# Altium PCB Van Battery Controller V1.PcbDoc (part 3 of 3)
Units mil, origin at the board's own origin, x right, y up, seen from the top; angles counter-clockwise.
Board outline 6889.76 x 6889.76 mil, 8 copper layers (Top (Sig/GND), Int1 (GND), Int2 (24V), Int3 (24V), Int4 (GND), Int5 (24V), Int6 (GND), Bottom (Sig/GND)), stack 90.162 mil thick; 161 components, 117 nets, 594 pads, 573 vias.
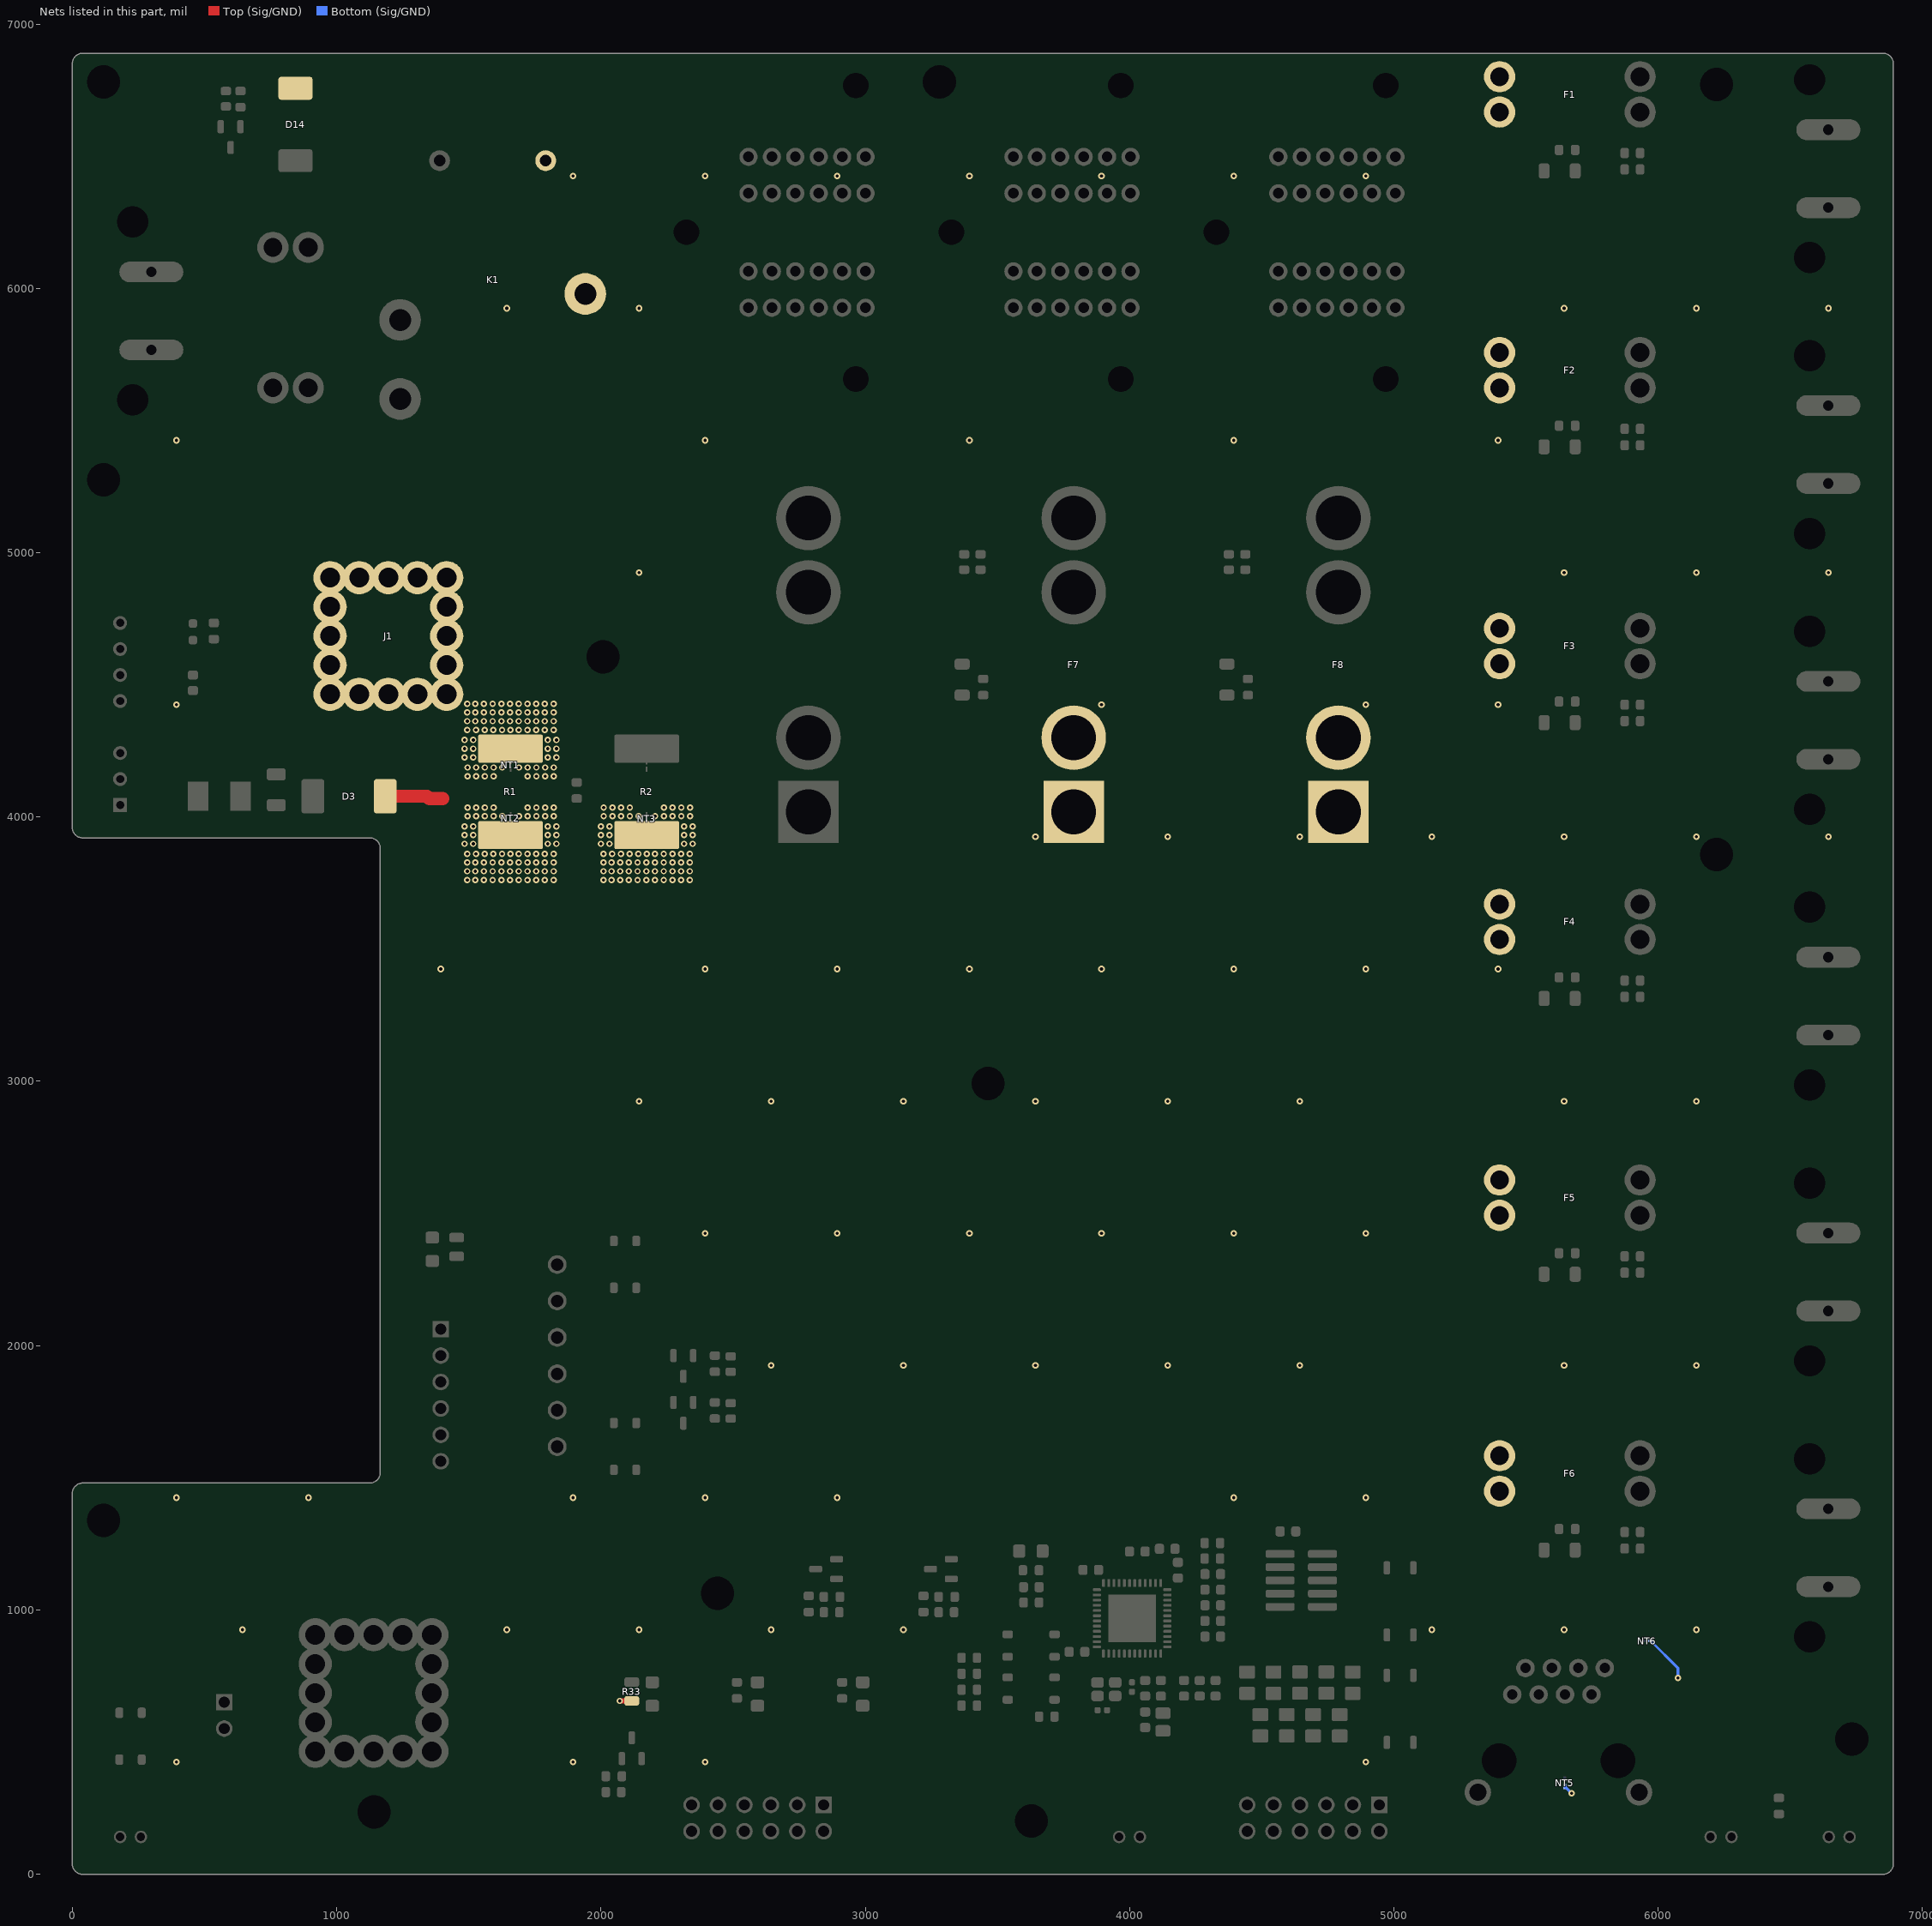
[diagram p9: the nets of this part, all layers, seen from the top]

## Via types
v1: diameter 24, hole 12, Top (Sig/GND) to Bottom (Sig/GND), tented both sides, 422 vias
v2: diameter 25, hole 12, Top (Sig/GND) to Bottom (Sig/GND), tented both sides, 151 vias

## Nets (pads, with @x,y where several pads share a name; then routed paths per layer and width w, separated by ;. In a path a pad name is that pad's centre, name@x,y a point inside that pad or via, vN(x,y) a via of type N, cw(c..) or ccw(c..) an arc to the next point about the centre after c; other vN are vias at no path point) (continued)
VBATT_24V: J1.1 J1.2 J1.3 J1.4 J1.5 J1.6 J1.7 J1.8 J1.9 J1.10 J1.11 J1.12 J1.13 J1.14 J1.15 J1.16 NT1.2 R1.2
  other v1: 1495.02,4154.35 1527.96,4154.35 1560.89,4154.35 1593.83,4154.35 1722.7,4154.35 1755.64,4154.35 1788.58,4154.35 1821.51,4154.35 1495.02,4187.28 1527.96,4187.28 1560.89,4187.28 1593.83,4187.28 1626.77,4187.28 1689.76,4187.28 1722.7,4187.28 1755.64,4187.28 1788.58,4187.28 1821.51,4187.28 1484.12,4225.47 1517.06,4225.47 1798.74,4225.47 1831.68,4225.47 1484.12,4258.41 1517.06,4258.41 1798.74,4258.41 1831.68,4258.41 1484.12,4291.34 1517.06,4291.34 1798.74,4291.34 1831.68,4291.34 1494.29,4329.53 1527.23,4329.53 1560.16,4329.53 1593.1,4329.53 1626.04,4329.53 1657.54,4329.53 1689.03,4329.53 1721.97,4329.53 1754.91,4329.53 1787.85,4329.53 1820.78,4329.53 1494.29,4362.47 1524.34,4362.47 1557.28,4362.47 1590.22,4362.47 1623.15,4362.47 1656.09,4362.47 1689.03,4362.47 1721.97,4362.47 1754.91,4362.47 1787.85,4362.47 1820.78,4362.47 1494.29,4395.4 1524.34,4395.4 1557.28,4395.4 1590.22,4395.4 1623.15,4395.4 1656.09,4395.4 1689.03,4395.4 1721.97,4395.4 1754.91,4395.4 1787.85,4395.4 1820.78,4395.4 1494.29,4428.34 1524.34,4428.34 1557.28,4428.34 1590.22,4428.34 1623.15,4428.34 1656.09,4428.34 1689.03,4428.34 1721.97,4428.34 1754.91,4428.34 1787.85,4428.34 1820.78,4428.34
VBUS_24V: D3.2 D14.1 F1.1 F1.2 F2.1 F2.2 F3.1 F3.2 F4.1 F4.2 F5.1 F5.2 F6.1 F6.2 F7.1 F7.2 F8.1 F8.2 K1.1 K1.3 NT2.2 NT3.2 NT5.2 NT6.2 R1.1 R2.1 R33.1 | length 485.8
  Top (Sig/GND) w20: v1(2071.37,655.94) R33.1@2116.5,655.94
  Top (Sig/GND) w50: D3.2@1184.05,4078.54 1342.02,4078.54 1351.03,4069.53 1401.84,4069.53
  Bottom (Sig/GND) w10: NT5.2@5646.59,332.04 v1(5672.39,306.24) ; NT6.2@5971.7,882.93 6074.61,780.02 v1(6074.61,742.91)
  other v1: 1494.29,3761.7 1524.34,3761.7 1557.28,3761.7 1590.22,3761.7 1623.15,3761.7 1656.09,3761.7 1689.03,3761.7 1721.97,3761.7 1754.91,3761.7 1787.85,3761.7 1820.78,3761.7 2009.73,3761.7 2039.78,3761.7 2072.72,3761.7 2105.66,3761.7 2138.6,3761.7 2171.54,3761.7 2204.48,3761.7 2237.41,3761.7 2270.35,3761.7 2303.29,3761.7 2336.23,3761.7 1494.29,3794.64 1524.34,3794.64 1557.28,3794.64 1590.22,3794.64 1623.15,3794.64 1656.09,3794.64 1689.03,3794.64 1721.97,3794.64 1754.91,3794.64 1787.85,3794.64 1820.78,3794.64 2009.73,3794.64 2039.78,3794.64 2072.72,3794.64 2105.66,3794.64 2138.6,3794.64 2171.54,3794.64 2204.48,3794.64 2237.41,3794.64 2270.35,3794.64 2303.29,3794.64 2336.23,3794.64 1494.29,3827.57 1524.34,3827.57 1557.28,3827.57 1590.22,3827.57 1623.15,3827.57 1656.09,3827.57 1689.03,3827.57 1721.97,3827.57 1754.91,3827.57 1787.85,3827.57 1820.78,3827.57 2009.73,3827.57 2039.78,3827.57 2072.72,3827.57 2105.66,3827.57 2138.6,3827.57 2171.54,3827.57 2204.48,3827.57 2237.41,3827.57 2270.35,3827.57 2303.29,3827.57 2336.23,3827.57 1494.29,3860.51 1527.23,3860.51 1560.16,3860.51 1593.1,3860.51 1626.04,3860.51 1657.54,3860.51 1689.03,3860.51 1721.97,3860.51 1754.91,3860.51 1787.85,3860.51 1820.78,3860.51 2009.73,3860.51 2042.67,3860.51 2075.61,3860.51 2108.55,3860.51 2141.49,3860.51 2172.98,3860.51 2204.48,3860.51 2237.41,3860.51 2270.35,3860.51 2303.29,3860.51 2336.23,3860.51 1484.12,3898.7 1517.06,3898.7 1798.74,3898.7 1831.68,3898.7 1999.57,3898.7 2032.51,3898.7 2314.19,3898.7 2347.12,3898.7 1484.12,3931.63 1517.06,3931.63 1798.74,3931.63 1831.68,3931.63 1999.57,3931.63 2032.51,3931.63 2314.19,3931.63 2347.12,3931.63 1484.12,3964.57 1517.06,3964.57 1798.74,3964.57 1831.68,3964.57 1999.57,3964.57 2032.51,3964.57 2314.19,3964.57 2347.12,3964.57 1495.02,4002.76 1527.96,4002.76 1560.89,4002.76 1593.83,4002.76 1626.77,4002.76 1689.76,4002.76 1722.7,4002.76 1755.64,4002.76 1788.58,4002.76 1821.51,4002.76 2010.46,4002.76 2043.4,4002.76 2076.34,4002.76 2109.28,4002.76 2142.22,4002.76 2205.21,4002.76 2238.14,4002.76 2271.08,4002.76 2304.02,4002.76 2336.96,4002.76 1495.02,4035.69 1527.96,4035.69 1560.89,4035.69 1593.83,4035.69 1722.7,4035.69 1755.64,4035.69 1788.58,4035.69 1821.51,4035.69 2010.46,4035.69 2043.4,4035.69 2076.34,4035.69 2109.28,4035.69 2238.14,4035.69 2271.08,4035.69 2304.02,4035.69 2336.96,4035.69
  other v2: 394.02,424.92 1894.02,424.92 2394.02,424.92 4894.02,424.92 644.02,924.92 1644.02,924.92 2144.02,924.92 2644.02,924.92 3144.02,924.92 5144.02,924.92 5644.02,924.92 6144.02,924.92 394.02,1424.92 894.02,1424.92 1894.02,1424.92 2394.02,1424.92 2894.02,1424.92 4394.02,1424.92 4894.02,1424.92 2644.02,1924.92 3144.02,1924.92 3644.02,1924.92 4144.02,1924.92 4644.02,1924.92 5644.02,1924.92 6144.02,1924.92 2394.02,2424.92 2894.02,2424.92 3394.02,2424.92 3894.02,2424.92 4394.02,2424.92 4894.02,2424.92 2144.02,2924.92 2644.02,2924.92 3144.02,2924.92 3644.02,2924.92 4144.02,2924.92 4644.02,2924.92 5644.02,2924.92 6144.02,2924.92 1394.02,3424.92 2394.02,3424.92 2894.02,3424.92 3394.02,3424.92 3894.02,3424.92 4394.02,3424.92 4894.02,3424.92 5394.02,3424.92 3644.02,3924.92 4144.02,3924.92 4644.02,3924.92 5144.02,3924.92 5644.02,3924.92 6144.02,3924.92 6644.02,3924.92 394.02,4424.92 3894.02,4424.92 4894.02,4424.92 5394.02,4424.92 2144.02,4924.92 5644.02,4924.92 6144.02,4924.92 6644.02,4924.92 394.02,5424.92 2394.02,5424.92 3394.02,5424.92 4394.02,5424.92 5394.02,5424.92 1644.02,5924.92 2144.02,5924.92 5644.02,5924.92 6144.02,5924.92 6644.02,5924.92 1894.02,6424.92 2394.02,6424.92 2894.02,6424.92 3394.02,6424.92 3894.02,6424.92 4394.02,6424.92 4894.02,6424.92
pads on no net: J3.3 J3.4 J4.3 J4.4 J5.3 J5.4 J6.3 J6.4 J7.3 J7.4 J8.3 J8.4 J9.MH J10.MH J11.MH J12.6 J13.2 J13.3 J13.6 J16.0@5397.73,430.22 J16.0@5847.73,430.22 J21.7 J21.8 J22.3 J22.4 K1.5 U1.1 U1.18 U1.40 U1.42 U1.43 U2.3 U2.5 U2.8

## Polygon pours and split planes (outlines as drawn)
GND on Int1 (GND) "GND_L02_P177" (solid, remove dead copper, pour order 177): -15.94,5418.13 -15.94,6889.76 6888.76,6889.76 6888.76,5418.13 6889.76,5418.13 6889.76,0 -15.94,0 -15.94,1480.12 1165.16,1480.12 1165.16,3921.06 -15.94,3921.06
30A_CKT_6_FUSED on Int1 (GND) "30A_CKT_6_FUSED_L02_P176" (solid, pour order 176): 6880.67,1665.17 6879.66,1664.16 5722.99,1664.16 5722.99,1270.46 6267.52,1270.46 6313.54,1231.09 6320.19,1231.09 6880.67,1231.09
30A_CKT_5_FUSED on Int1 (GND) "30A_CKT_5_FUSED_L02_P175" (solid, pour order 175): 6880.67,2708.68 6879.66,2707.67 5722.99,2707.67 5722.99,2313.97 6267.52,2313.97 6313.54,2274.6 6320.19,2274.6 6880.67,2274.6
30A_CKT_4_FUSED on Int1 (GND) "30A_CKT_4_FUSED_L02_P174" (solid, pour order 174): 6880.67,3752.18 6879.66,3751.18 5722.99,3751.18 5722.99,3357.47 6267.52,3357.47 6313.54,3318.1 6320.19,3318.1 6880.67,3318.1
30A_CKT_3_FUSED on Int1 (GND) "30A_CKT_3_FUSED_L02_P173" (solid, pour order 173): 6880.67,4795.69 6879.66,4794.68 5722.99,4794.68 5722.99,4400.98 6267.52,4400.98 6313.54,4361.61 6320.19,4361.61 6880.67,4361.61
30A_CKT_2_FUSED on Int1 (GND) "30A_CKT_2_FUSED_L02_P172" (solid, pour order 172): 6880.67,5839.19 6879.66,5838.19 5722.99,5838.19 5722.99,5444.49 6267.52,5444.49 6313.54,5405.12 6320.19,5405.12 6880.67,5405.12
NetF9_1 on Int1 (GND) "NETF9_1_L02_P171" (solid, pour order 171): 2493.9,4106.69 2493.9,3847.19 3136.1,3847.19 3136.1,4511.61 1907.28,4511.61 1907.28,4106.69
VBUS_24V on Int1 (GND) "VBUS_24V_L02_P170" (solid, pour order 170): 712.02,6829.92 713.19,6828.75 713.19,6590.68 1527.04,6590.68 1558.86,6558.86 1558.86,5422.6 2090.35,5422.6 2090.35,6829.92
NetF10_1 on Int1 (GND) "NETF10_1_L02_P169" (solid, pour order 169): 1041.84,5889.57 1042.5,5888.91 1042.5,6047.05 1519.49,6047.05 1519.49,5417.13 582.89,5417.13 581.89,5418.13 581.89,5889.57
24V_HEATER_FUSED on Int1 (GND) "24V_HEATER_FUSED_L02_P168" (solid, pour order 168): 0,6401.38 0,5928.94 1007.68,5928.94 1007.68,6401.38
VBUS_24V on Int1 (GND) "VBUS_24V_L02_P167" (solid, pour order 167): 2480.12,4094.45 1398.42,4094.45 1398.42,3510.89 2480.12,3510.89
VBATT_24V on Int1 (GND) "VBATT_24V_L02_P166" (solid, pour order 166): 653.35,5259.65 653.35,4275.39 1196.65,4275.39 1365.36,4106.69 1892.52,4106.69 1892.52,5004.72 1637.6,5259.65
30A_CKT_1_FUSED on Int1 (GND) "30A_CKT_1_FUSED_L02_P153" (solid, pour order 153): 6880.67,6882.7 6879.66,6881.69 5722.99,6881.69 5722.99,6487.99 6267.52,6487.99 6313.54,6448.62 6320.19,6448.62 6880.67,6448.62
60A_CKT_2_FUSED on Int1 (GND) "60A_CKT_2_FUSED_L02_P023" (solid, remove dead copper, pour order 23): 4431.97,6194.68 4431.97,4629.72 5140.63,4629.72 5140.63,6194.68
60A_CKT_1_FUSED on Int1 (GND) "60A_CKT_1_FUSED_L02_P022" (solid, remove dead copper, pour order 22): 3429.7,6194.68 3429.7,4629.72 4138.37,4629.72 4138.37,6194.68
SOLAR_IN on Int1 (GND) "SOLAR_IN_L02_P002" (solid, remove dead copper, pour order 2): 2427.44,6194.68 2427.44,4629.72 3136.1,4629.72 3136.1,6194.68
GND on Int6 (GND) "GND_L07_P237" (solid, remove dead copper, pour order 237): -15.94,5418.13 -15.94,6889.76 6888.76,6889.76 6888.76,5418.13 6889.76,5418.13 6889.76,0 -15.94,0 -15.94,1480.12 1165.16,1480.12 1165.16,3921.06 -15.94,3921.06
30A_CKT_6_FUSED on Int6 (GND) "30A_CKT_6_FUSED_L07_P236" (solid, pour order 236): 6880.67,1665.17 6879.66,1664.16 5722.99,1664.16 5722.99,1270.46 6267.52,1270.46 6313.54,1231.09 6320.19,1231.09 6880.67,1231.09
30A_CKT_5_FUSED on Int6 (GND) "30A_CKT_5_FUSED_L07_P235" (solid, pour order 235): 6880.67,2708.68 6879.66,2707.67 5722.99,2707.67 5722.99,2313.97 6267.52,2313.97 6313.54,2274.6 6320.19,2274.6 6880.67,2274.6
30A_CKT_4_FUSED on Int6 (GND) "30A_CKT_4_FUSED_L07_P234" (solid, pour order 234): 6880.67,3752.18 6879.66,3751.18 5722.99,3751.18 5722.99,3357.47 6267.52,3357.47 6313.54,3318.1 6320.19,3318.1 6880.67,3318.1
30A_CKT_3_FUSED on Int6 (GND) "30A_CKT_3_FUSED_L07_P233" (solid, pour order 233): 6880.67,4795.69 6879.66,4794.68 5722.99,4794.68 5722.99,4400.98 6267.52,4400.98 6313.54,4361.61 6320.19,4361.61 6880.67,4361.61
30A_CKT_2_FUSED on Int6 (GND) "30A_CKT_2_FUSED_L07_P232" (solid, pour order 232): 6880.67,5839.19 6879.66,5838.19 5722.99,5838.19 5722.99,5444.49 6267.52,5444.49 6313.54,5405.12 6320.19,5405.12 6880.67,5405.12
NetF9_1 on Int6 (GND) "NETF9_1_L07_P231" (solid, pour order 231): 2493.9,4106.69 2493.9,3847.19 3136.1,3847.19 3136.1,4511.61 1907.28,4511.61 1907.28,4106.69
VBUS_24V on Int6 (GND) "VBUS_24V_L07_P230" (solid, pour order 230): 712.02,6829.92 713.19,6828.75 713.19,6590.68 1527.04,6590.68 1558.86,6558.86 1558.86,5422.6 2090.35,5422.6 2090.35,6829.92
NetF10_1 on Int6 (GND) "NETF10_1_L07_P229" (solid, pour order 229): 1041.84,5889.57 1042.5,5888.91 1042.5,6047.05 1519.49,6047.05 1519.49,5417.13 582.89,5417.13 581.89,5418.13 581.89,5889.57
24V_HEATER_FUSED on Int6 (GND) "24V_HEATER_FUSED_L07_P228" (solid, pour order 228): 0,6401.38 0,5928.94 1007.68,5928.94 1007.68,6401.38
VBUS_24V on Int6 (GND) "VBUS_24V_L07_P227" (solid, pour order 227): 2480.12,4094.45 1398.42,4094.45 1398.42,3510.89 2480.12,3510.89
VBATT_24V on Int6 (GND) "VBATT_24V_L07_P226" (solid, pour order 226): 653.35,5259.65 653.35,4275.39 1196.65,4275.39 1365.36,4106.69 1892.52,4106.69 1892.52,5004.72 1637.6,5259.65
30A_CKT_1_FUSED on Int6 (GND) "30A_CKT_1_FUSED_L07_P158" (solid, pour order 158): 6880.67,6882.7 6879.66,6881.69 5722.99,6881.69 5722.99,6487.99 6267.52,6487.99 6313.54,6448.62 6320.19,6448.62 6880.67,6448.62
60A_CKT_2_FUSED on Int6 (GND) "60A_CKT_2_FUSED_L07_P148" (solid, remove dead copper, pour order 148): 4431.97,6194.68 4431.97,4629.72 5140.63,4629.72 5140.63,6194.68
60A_CKT_1_FUSED on Int6 (GND) "60A_CKT_1_FUSED_L07_P147" (solid, remove dead copper, pour order 147): 3429.7,6194.68 3429.7,4629.72 4138.37,4629.72 4138.37,6194.68
SOLAR_IN on Int6 (GND) "SOLAR_IN_L07_P117" (solid, remove dead copper, pour order 117): 2427.44,6194.68 2427.44,4629.72 3136.1,4629.72 3136.1,6194.68
VBUS_24V on Int2 (24V) "VBUS_24V_L03_P189" (solid, remove dead copper, pour order 189): -15.94,5418.13 -15.94,6889.76 6888.76,6889.76 6888.76,5418.13 6889.76,5418.13 6889.76,0 -15.94,0 -15.94,1480.12 1165.16,1480.12 1165.16,3921.06 -15.94,3921.06
3V3 on Int2 (24V) "3V3_L03_P005" (solid, remove dead copper, pour order 5): 3587.4,1322.64 3587.4,476.95 4544.68,476.95 4544.68,1322.64
30A_CKT_6_FUSED on Int2 (24V) "30A_CKT_6_FUSED_L03_P188" (solid, pour order 188): 6880.67,1665.17 6879.66,1664.16 5722.99,1664.16 5722.99,1270.46 6267.52,1270.46 6313.54,1231.09 6320.19,1231.09 6880.67,1231.09
30A_CKT_5_FUSED on Int2 (24V) "30A_CKT_5_FUSED_L03_P187" (solid, pour order 187): 6880.67,2708.68 6879.66,2707.67 5722.99,2707.67 5722.99,2313.97 6267.52,2313.97 6313.54,2274.6 6320.19,2274.6 6880.67,2274.6
30A_CKT_4_FUSED on Int2 (24V) "30A_CKT_4_FUSED_L03_P186" (solid, pour order 186): 6880.67,3752.18 6879.66,3751.18 5722.99,3751.18 5722.99,3357.47 6267.52,3357.47 6313.54,3318.1 6320.19,3318.1 6880.67,3318.1
30A_CKT_3_FUSED on Int2 (24V) "30A_CKT_3_FUSED_L03_P185" (solid, pour order 185): 6880.67,4795.69 6879.66,4794.68 5722.99,4794.68 5722.99,4400.98 6267.52,4400.98 6313.54,4361.61 6320.19,4361.61 6880.67,4361.61
30A_CKT_2_FUSED on Int2 (24V) "30A_CKT_2_FUSED_L03_P184" (solid, pour order 184): 6880.67,5839.19 6879.66,5838.19 5722.99,5838.19 5722.99,5444.49 6267.52,5444.49 6313.54,5405.12 6320.19,5405.12 6880.67,5405.12
NetF9_1 on Int2 (24V) "NETF9_1_L03_P183" (solid, pour order 183): 2493.9,4106.69 2493.9,3847.19 3136.1,3847.19 3136.1,4511.61 1907.28,4511.61 1907.28,4106.69
VBUS_24V on Int2 (24V) "VBUS_24V_L03_P182" (solid, pour order 182): 712.02,6829.92 713.19,6828.75 713.19,6590.68 1527.04,6590.68 1558.86,6558.86 1558.86,5422.6 2090.35,5422.6 2090.35,6829.92
NetF10_1 on Int2 (24V) "NETF10_1_L03_P181" (solid, pour order 181): 1041.84,5889.57 1042.5,5888.91 1042.5,6047.05 1519.49,6047.05 1519.49,5417.13 582.89,5417.13 581.89,5418.13 581.89,5889.57
24V_HEATER_FUSED on Int2 (24V) "24V_HEATER_FUSED_L03_P180" (solid, pour order 180): 0,6401.38 0,5928.94 1007.68,5928.94 1007.68,6401.38
VBUS_24V on Int2 (24V) "VBUS_24V_L03_P179" (solid, pour order 179): 2480.12,4094.45 1398.42,4094.45 1398.42,3510.89 2480.12,3510.89
VBATT_24V on Int2 (24V) "VBATT_24V_L03_P178" (solid, pour order 178): 653.35,5259.65 653.35,4275.39 1196.65,4275.39 1365.36,4106.69 1892.52,4106.69 1892.52,5004.72 1637.6,5259.65
30A_CKT_1_FUSED on Int2 (24V) "30A_CKT_1_FUSED_L03_P154" (solid, pour order 154): 6880.67,6882.7 6879.66,6881.69 5722.99,6881.69 5722.99,6487.99 6267.52,6487.99 6313.54,6448.62 6320.19,6448.62 6880.67,6448.62
60A_CKT_2_FUSED on Int2 (24V) "60A_CKT_2_FUSED_L03_P136" (solid, remove dead copper, pour order 136): 4431.97,6194.68 4431.97,4629.72 5140.63,4629.72 5140.63,6194.68
60A_CKT_1_FUSED on Int2 (24V) "60A_CKT_1_FUSED_L03_P135" (solid, remove dead copper, pour order 135): 3429.7,6194.68 3429.7,4629.72 4138.37,4629.72 4138.37,6194.68
SOLAR_IN on Int2 (24V) "SOLAR_IN_L03_P121" (solid, remove dead copper, pour order 121): 2427.44,6194.68 2427.44,4629.72 3136.1,4629.72 3136.1,6194.68
VBUS_24V on Int3 (24V) "VBUS_24V_L04_P201" (solid, remove dead copper, pour order 201): -15.94,5418.13 -15.94,6889.76 6888.76,6889.76 6888.76,5418.13 6889.76,5418.13 6889.76,0 -15.94,0 -15.94,1480.12 1165.16,1480.12 1165.16,3921.06 -15.94,3921.06
30A_CKT_6_FUSED on Int3 (24V) "30A_CKT_6_FUSED_L04_P200" (solid, pour order 200): 6880.67,1665.17 6879.66,1664.16 5722.99,1664.16 5722.99,1270.46 6267.52,1270.46 6313.54,1231.09 6320.19,1231.09 6880.67,1231.09
30A_CKT_5_FUSED on Int3 (24V) "30A_CKT_5_FUSED_L04_P199" (solid, pour order 199): 6880.67,2708.68 6879.66,2707.67 5722.99,2707.67 5722.99,2313.97 6267.52,2313.97 6313.54,2274.6 6320.19,2274.6 6880.67,2274.6
30A_CKT_4_FUSED on Int3 (24V) "30A_CKT_4_FUSED_L04_P198" (solid, pour order 198): 6880.67,3752.18 6879.66,3751.18 5722.99,3751.18 5722.99,3357.47 6267.52,3357.47 6313.54,3318.1 6320.19,3318.1 6880.67,3318.1
30A_CKT_3_FUSED on Int3 (24V) "30A_CKT_3_FUSED_L04_P197" (solid, pour order 197): 6880.67,4795.69 6879.66,4794.68 5722.99,4794.68 5722.99,4400.98 6267.52,4400.98 6313.54,4361.61 6320.19,4361.61 6880.67,4361.61
30A_CKT_2_FUSED on Int3 (24V) "30A_CKT_2_FUSED_L04_P196" (solid, pour order 196): 6880.67,5839.19 6879.66,5838.19 5722.99,5838.19 5722.99,5444.49 6267.52,5444.49 6313.54,5405.12 6320.19,5405.12 6880.67,5405.12
NetF9_1 on Int3 (24V) "NETF9_1_L04_P195" (solid, pour order 195): 2493.9,4106.69 2493.9,3847.19 3136.1,3847.19 3136.1,4511.61 1907.28,4511.61 1907.28,4106.69
VBUS_24V on Int3 (24V) "VBUS_24V_L04_P194" (solid, pour order 194): 712.02,6829.92 713.19,6828.75 713.19,6590.68 1527.04,6590.68 1558.86,6558.86 1558.86,5422.6 2090.35,5422.6 2090.35,6829.92
NetF10_1 on Int3 (24V) "NETF10_1_L04_P193" (solid, pour order 193): 1041.84,5889.57 1042.5,5888.91 1042.5,6047.05 1519.49,6047.05 1519.49,5417.13 582.89,5417.13 581.89,5418.13 581.89,5889.57
24V_HEATER_FUSED on Int3 (24V) "24V_HEATER_FUSED_L04_P192" (solid, pour order 192): 0,6401.38 0,5928.94 1007.68,5928.94 1007.68,6401.38
VBUS_24V on Int3 (24V) "VBUS_24V_L04_P191" (solid, pour order 191): 2480.12,4094.45 1398.42,4094.45 1398.42,3510.89 2480.12,3510.89
VBATT_24V on Int3 (24V) "VBATT_24V_L04_P190" (solid, pour order 190): 653.35,5259.65 653.35,4275.39 1196.65,4275.39 1365.36,4106.69 1892.52,4106.69 1892.52,5004.72 1637.6,5259.65
30A_CKT_1_FUSED on Int3 (24V) "30A_CKT_1_FUSED_L04_P155" (solid, pour order 155): 6880.67,6882.7 6879.66,6881.69 5722.99,6881.69 5722.99,6487.99 6267.52,6487.99 6313.54,6448.62 6320.19,6448.62 6880.67,6448.62
60A_CKT_2_FUSED on Int3 (24V) "60A_CKT_2_FUSED_L04_P139" (solid, remove dead copper, pour order 139): 4431.97,6194.68 4431.97,4629.72 5140.63,4629.72 5140.63,6194.68
60A_CKT_1_FUSED on Int3 (24V) "60A_CKT_1_FUSED_L04_P138" (solid, remove dead copper, pour order 138): 3429.7,6194.68 3429.7,4629.72 4138.37,4629.72 4138.37,6194.68
SOLAR_IN on Int3 (24V) "SOLAR_IN_L04_P128" (solid, remove dead copper, pour order 128): 2427.44,6194.68 2427.44,4629.72 3136.1,4629.72 3136.1,6194.68
GND on Int4 (GND) "GND_L05_P213" (solid, remove dead copper, pour order 213): -15.94,5418.13 -15.94,6889.76 6888.76,6889.76 6888.76,5418.13 6889.76,5418.13 6889.76,0 -15.94,0 -15.94,1480.12 1165.16,1480.12 1165.16,3921.06 -15.94,3921.06
30A_CKT_6_FUSED on Int4 (GND) "30A_CKT_6_FUSED_L05_P212" (solid, pour order 212): 6880.67,1665.17 6879.66,1664.16 5722.99,1664.16 5722.99,1270.46 6267.52,1270.46 6313.54,1231.09 6320.19,1231.09 6880.67,1231.09
30A_CKT_5_FUSED on Int4 (GND) "30A_CKT_5_FUSED_L05_P211" (solid, pour order 211): 6880.67,2708.68 6879.66,2707.67 5722.99,2707.67 5722.99,2313.97 6267.52,2313.97 6313.54,2274.6 6320.19,2274.6 6880.67,2274.6
30A_CKT_4_FUSED on Int4 (GND) "30A_CKT_4_FUSED_L05_P210" (solid, pour order 210): 6880.67,3752.18 6879.66,3751.18 5722.99,3751.18 5722.99,3357.47 6267.52,3357.47 6313.54,3318.1 6320.19,3318.1 6880.67,3318.1
30A_CKT_3_FUSED on Int4 (GND) "30A_CKT_3_FUSED_L05_P209" (solid, pour order 209): 6880.67,4795.69 6879.66,4794.68 5722.99,4794.68 5722.99,4400.98 6267.52,4400.98 6313.54,4361.61 6320.19,4361.61 6880.67,4361.61
30A_CKT_2_FUSED on Int4 (GND) "30A_CKT_2_FUSED_L05_P208" (solid, pour order 208): 6880.67,5839.19 6879.66,5838.19 5722.99,5838.19 5722.99,5444.49 6267.52,5444.49 6313.54,5405.12 6320.19,5405.12 6880.67,5405.12
NetF9_1 on Int4 (GND) "NETF9_1_L05_P207" (solid, pour order 207): 2493.9,4106.69 2493.9,3847.19 3136.1,3847.19 3136.1,4511.61 1907.28,4511.61 1907.28,4106.69
VBUS_24V on Int4 (GND) "VBUS_24V_L05_P206" (solid, pour order 206): 712.02,6829.92 713.19,6828.75 713.19,6590.68 1527.04,6590.68 1558.86,6558.86 1558.86,5422.6 2090.35,5422.6 2090.35,6829.92
NetF10_1 on Int4 (GND) "NETF10_1_L05_P205" (solid, pour order 205): 1041.84,5889.57 1042.5,5888.91 1042.5,6047.05 1519.49,6047.05 1519.49,5417.13 582.89,5417.13 581.89,5418.13 581.89,5889.57
24V_HEATER_FUSED on Int4 (GND) "24V_HEATER_FUSED_L05_P204" (solid, pour order 204): 0,6401.38 0,5928.94 1007.68,5928.94 1007.68,6401.38
VBUS_24V on Int4 (GND) "VBUS_24V_L05_P203" (solid, pour order 203): 2480.12,4094.45 1398.42,4094.45 1398.42,3510.89 2480.12,3510.89
VBATT_24V on Int4 (GND) "VBATT_24V_L05_P202" (solid, pour order 202): 653.35,5259.65 653.35,4275.39 1196.65,4275.39 1365.36,4106.69 1892.52,4106.69 1892.52,5004.72 1637.6,5259.65
30A_CKT_1_FUSED on Int4 (GND) "30A_CKT_1_FUSED_L05_P156" (solid, pour order 156): 6880.67,6882.7 6879.66,6881.69 5722.99,6881.69 5722.99,6487.99 6267.52,6487.99 6313.54,6448.62 6320.19,6448.62 6880.67,6448.62
60A_CKT_2_FUSED on Int4 (GND) "60A_CKT_2_FUSED_L05_P142" (solid, remove dead copper, pour order 142): 4431.97,6194.68 4431.97,4629.72 5140.63,4629.72 5140.63,6194.68
60A_CKT_1_FUSED on Int4 (GND) "60A_CKT_1_FUSED_L05_P141" (solid, remove dead copper, pour order 141): 3429.7,6194.68 3429.7,4629.72 4138.37,4629.72 4138.37,6194.68
SOLAR_IN on Int4 (GND) "SOLAR_IN_L05_P116" (solid, remove dead copper, pour order 116): 2427.44,6194.68 2427.44,4629.72 3136.1,4629.72 3136.1,6194.68
VBUS_24V on Int5 (24V) "VBUS_24V_L06_P225" (solid, remove dead copper, pour order 225): -15.94,5418.13 -15.94,6889.76 6888.76,6889.76 6888.76,5418.13 6889.76,5418.13 6889.76,0 -15.94,0 -15.94,1480.12 1165.16,1480.12 1165.16,3921.06 -15.94,3921.06
30A_CKT_6_FUSED on Int5 (24V) "30A_CKT_6_FUSED_L06_P224" (solid, pour order 224): 6880.67,1665.17 6879.66,1664.16 5722.99,1664.16 5722.99,1270.46 6267.52,1270.46 6313.54,1231.09 6320.19,1231.09 6880.67,1231.09
30A_CKT_5_FUSED on Int5 (24V) "30A_CKT_5_FUSED_L06_P223" (solid, pour order 223): 6880.67,2708.68 6879.66,2707.67 5722.99,2707.67 5722.99,2313.97 6267.52,2313.97 6313.54,2274.6 6320.19,2274.6 6880.67,2274.6
30A_CKT_4_FUSED on Int5 (24V) "30A_CKT_4_FUSED_L06_P222" (solid, pour order 222): 6880.67,3752.18 6879.66,3751.18 5722.99,3751.18 5722.99,3357.47 6267.52,3357.47 6313.54,3318.1 6320.19,3318.1 6880.67,3318.1
30A_CKT_3_FUSED on Int5 (24V) "30A_CKT_3_FUSED_L06_P221" (solid, pour order 221): 6880.67,4795.69 6879.66,4794.68 5722.99,4794.68 5722.99,4400.98 6267.52,4400.98 6313.54,4361.61 6320.19,4361.61 6880.67,4361.61
30A_CKT_2_FUSED on Int5 (24V) "30A_CKT_2_FUSED_L06_P220" (solid, pour order 220): 6880.67,5839.19 6879.66,5838.19 5722.99,5838.19 5722.99,5444.49 6267.52,5444.49 6313.54,5405.12 6320.19,5405.12 6880.67,5405.12
NetF9_1 on Int5 (24V) "NETF9_1_L06_P219" (solid, pour order 219): 2493.9,4106.69 2493.9,3847.19 3136.1,3847.19 3136.1,4511.61 1907.28,4511.61 1907.28,4106.69
VBUS_24V on Int5 (24V) "VBUS_24V_L06_P218" (solid, pour order 218): 712.02,6829.92 713.19,6828.75 713.19,6590.68 1527.04,6590.68 1558.86,6558.86 1558.86,5422.6 2090.35,5422.6 2090.35,6829.92
NetF10_1 on Int5 (24V) "NETF10_1_L06_P217" (solid, pour order 217): 1041.84,5889.57 1042.5,5888.91 1042.5,6047.05 1519.49,6047.05 1519.49,5417.13 582.89,5417.13 581.89,5418.13 581.89,5889.57
24V_HEATER_FUSED on Int5 (24V) "24V_HEATER_FUSED_L06_P216" (solid, pour order 216): 0,6401.38 0,5928.94 1007.68,5928.94 1007.68,6401.38
VBUS_24V on Int5 (24V) "VBUS_24V_L06_P215" (solid, pour order 215): 2480.12,4094.45 1398.42,4094.45 1398.42,3510.89 2480.12,3510.89
VBATT_24V on Int5 (24V) "VBATT_24V_L06_P214" (solid, pour order 214): 653.35,5259.65 653.35,4275.39 1196.65,4275.39 1365.36,4106.69 1892.52,4106.69 1892.52,5004.72 1637.6,5259.65
30A_CKT_1_FUSED on Int5 (24V) "30A_CKT_1_FUSED_L06_P157" (solid, pour order 157): 6880.67,6882.7 6879.66,6881.69 5722.99,6881.69 5722.99,6487.99 6267.52,6487.99 6313.54,6448.62 6320.19,6448.62 6880.67,6448.62
60A_CKT_2_FUSED on Int5 (24V) "60A_CKT_2_FUSED_L06_P145" (solid, remove dead copper, pour order 145): 4431.97,6194.68 4431.97,4629.72 5140.63,4629.72 5140.63,6194.68
60A_CKT_1_FUSED on Int5 (24V) "60A_CKT_1_FUSED_L06_P144" (solid, remove dead copper, pour order 144): 3429.7,6194.68 3429.7,4629.72 4138.37,4629.72 4138.37,6194.68
SOLAR_IN on Int5 (24V) "SOLAR_IN_L06_P131" (solid, remove dead copper, pour order 131): 2427.44,6194.68 2427.44,4629.72 3136.1,4629.72 3136.1,6194.68
GND on Top (Sig/GND) "GND_L01_P165" (solid, remove dead copper, pour order 165): -15.94,5418.13 -15.94,6889.76 6888.76,6889.76 6888.76,5418.13 6889.76,5418.13 6889.76,0 -15.94,0 -15.94,1480.12 1165.16,1480.12 1165.16,3921.06 -15.94,3921.06
30A_CKT_6_FUSED on Top (Sig/GND) "30A_CKT_6_FUSED_L01_P164" (solid, pour order 164): 6880.67,1665.17 6879.66,1664.16 5722.99,1664.16 5722.99,1270.46 6267.52,1270.46 6313.54,1231.09 6320.19,1231.09 6880.67,1231.09
30A_CKT_5_FUSED on Top (Sig/GND) "30A_CKT_5_FUSED_L01_P163" (solid, pour order 163): 6880.67,2708.68 6879.66,2707.67 5722.99,2707.67 5722.99,2313.97 6267.52,2313.97 6313.54,2274.6 6320.19,2274.6 6880.67,2274.6
30A_CKT_4_FUSED on Top (Sig/GND) "30A_CKT_4_FUSED_L01_P162" (solid, pour order 162): 6880.67,3752.18 6879.66,3751.18 5722.99,3751.18 5722.99,3357.47 6267.52,3357.47 6313.54,3318.1 6320.19,3318.1 6880.67,3318.1
30A_CKT_3_FUSED on Top (Sig/GND) "30A_CKT_3_FUSED_L01_P161" (solid, pour order 161): 6880.67,4795.69 6879.66,4794.68 5722.99,4794.68 5722.99,4400.98 6267.52,4400.98 6313.54,4361.61 6320.19,4361.61 6880.67,4361.61
30A_CKT_2_FUSED on Top (Sig/GND) "30A_CKT_2_FUSED_L01_P160" (solid, pour order 160): 6880.67,5839.19 6879.66,5838.19 5722.99,5838.19 5722.99,5444.49 6267.52,5444.49 6313.54,5405.12 6320.19,5405.12 6880.67,5405.12
VBUS_24V on Top (Sig/GND) "VBUS_24V_L01_P018" (solid, pour order 18): 2480.12,4094.45 1398.42,4094.45 1398.42,3510.89 2480.12,3510.89
NetF9_1 on Top (Sig/GND) "NETF9_1_L01_P134" (solid, pour order 134): 2493.9,4106.69 2493.9,3847.19 3136.1,3847.19 3136.1,4511.61 1907.28,4511.61 1907.28,4106.69
VBATT_24V on Top (Sig/GND) "VBATT_24V_L01_P017" (solid, pour order 17): 653.35,5259.65 653.35,4275.39 1196.65,4275.39 1365.36,4106.69 1892.52,4106.69 1892.52,5004.72 1637.6,5259.65
60A_CKT_2_FUSED on Top (Sig/GND) "60A_CKT_2_FUSED_L01_P133" (solid, remove dead copper, pour order 133): 4431.97,6194.68 4431.97,4629.72 5140.63,4629.72 5140.63,6194.68
60A_CKT_1_FUSED on Top (Sig/GND) "60A_CKT_1_FUSED_L01_P132" (solid, remove dead copper, pour order 132): 3429.7,6194.68 3429.7,4629.72 4138.37,4629.72 4138.37,6194.68
SOLAR_IN on Top (Sig/GND) "SOLAR_IN_L01_P125" (solid, remove dead copper, pour order 125): 2427.44,6194.68 2427.44,4629.72 3136.1,4629.72 3136.1,6194.68
VBUS_24V on Top (Sig/GND) "VBUS_24V_L01_P124" (solid, pour order 124): 712.02,6829.92 713.19,6828.75 713.19,6590.68 1527.04,6590.68 1558.86,6558.86 1558.86,5422.6 2090.35,5422.6 2090.35,6829.92
NetD14_2 on Top (Sig/GND) "NETD14_2_L01_P123" (solid, pour order 123): 535.24,6558.86 535.24,6413.39 1519.49,6413.39 1519.49,6558.86
24V_HEATER_FUSED on Top (Sig/GND) "24V_HEATER_FUSED_L01_P020" (solid, pour order 20): 0,6401.38 0,5928.94 1007.68,5928.94 1007.68,6401.38
NetF10_1 on Top (Sig/GND) "NETF10_1_L01_P122" (solid, pour order 122): 1041.84,5889.57 1042.5,5888.91 1042.5,6047.05 1519.49,6047.05 1519.49,5417.13 582.89,5417.13 581.89,5418.13 581.89,5889.57
30A_CKT_1_FUSED on Top (Sig/GND) "30A_CKT_1_FUSED_L01_P011" (solid, pour order 11): 6880.67,6882.7 6879.66,6881.69 5722.99,6881.69 5722.99,6487.99 6267.52,6487.99 6313.54,6448.62 6320.19,6448.62 6880.67,6448.62
GND on Bottom (Sig/GND) "GND_L08_P249" (solid, remove dead copper, pour order 249): -15.94,5418.13 -15.94,6889.76 6888.76,6889.76 6888.76,5418.13 6889.76,5418.13 6889.76,0 -15.94,0 -15.94,1480.12 1165.16,1480.12 1165.16,3921.06 -15.94,3921.06
VBATT_24V on Bottom (Sig/GND) "VBATT_24V_L08_P238" (solid, pour order 238): 653.35,5259.65 653.35,4275.39 1196.65,4275.39 1365.36,4106.69 1892.52,4106.69 1892.52,5004.72 1637.6,5259.65
30A_CKT_6_FUSED on Bottom (Sig/GND) "30A_CKT_6_FUSED_L08_P248" (solid, pour order 248): 6880.67,1665.17 6879.66,1664.16 5722.99,1664.16 5722.99,1270.46 6267.52,1270.46 6313.54,1231.09 6320.19,1231.09 6880.67,1231.09
30A_CKT_5_FUSED on Bottom (Sig/GND) "30A_CKT_5_FUSED_L08_P247" (solid, pour order 247): 6880.67,2708.68 6879.66,2707.67 5722.99,2707.67 5722.99,2313.97 6267.52,2313.97 6313.54,2274.6 6320.19,2274.6 6880.67,2274.6
30A_CKT_4_FUSED on Bottom (Sig/GND) "30A_CKT_4_FUSED_L08_P246" (solid, pour order 246): 6880.67,3752.18 6879.66,3751.18 5722.99,3751.18 5722.99,3357.47 6267.52,3357.47 6313.54,3318.1 6320.19,3318.1 6880.67,3318.1
30A_CKT_3_FUSED on Bottom (Sig/GND) "30A_CKT_3_FUSED_L08_P245" (solid, pour order 245): 6880.67,4795.69 6879.66,4794.68 5722.99,4794.68 5722.99,4400.98 6267.52,4400.98 6313.54,4361.61 6320.19,4361.61 6880.67,4361.61
30A_CKT_2_FUSED on Bottom (Sig/GND) "30A_CKT_2_FUSED_L08_P244" (solid, pour order 244): 6880.67,5839.19 6879.66,5838.19 5722.99,5838.19 5722.99,5444.49 6267.52,5444.49 6313.54,5405.12 6320.19,5405.12 6880.67,5405.12
NetF9_1 on Bottom (Sig/GND) "NETF9_1_L08_P243" (solid, pour order 243): 2493.9,4106.69 2493.9,3847.19 3136.1,3847.19 3136.1,4511.61 1907.28,4511.61 1907.28,4106.69
VBUS_24V on Bottom (Sig/GND) "VBUS_24V_L08_P242" (solid, pour order 242): 712.02,6829.92 713.19,6828.75 713.19,6590.68 1527.04,6590.68 1558.86,6558.86 1558.86,5422.6 2090.35,5422.6 2090.35,6829.92
NetF10_1 on Bottom (Sig/GND) "NETF10_1_L08_P241" (solid, pour order 241): 1041.84,5889.57 1042.5,5888.91 1042.5,6047.05 1519.49,6047.05 1519.49,5417.13 582.89,5417.13 581.89,5418.13 581.89,5889.57
24V_HEATER_FUSED on Bottom (Sig/GND) "24V_HEATER_FUSED_L08_P240" (solid, pour order 240): 0,6401.38 0,5928.94 1007.68,5928.94 1007.68,6401.38
VBUS_24V on Bottom (Sig/GND) "VBUS_24V_L08_P239" (solid, pour order 239): 2480.12,4094.45 1398.42,4094.45 1398.42,3510.89 2480.12,3510.89
30A_CKT_1_FUSED on Bottom (Sig/GND) "30A_CKT_1_FUSED_L08_P159" (solid, pour order 159): 6880.67,6882.7 6879.66,6881.69 5722.99,6881.69 5722.99,6487.99 6267.52,6487.99 6313.54,6448.62 6320.19,6448.62 6880.67,6448.62
60A_CKT_2_FUSED on Bottom (Sig/GND) "60A_CKT_2_FUSED_L08_P151" (solid, remove dead copper, pour order 151): 4431.97,6194.68 4431.97,4629.72 5140.63,4629.72 5140.63,6194.68
60A_CKT_1_FUSED on Bottom (Sig/GND) "60A_CKT_1_FUSED_L08_P150" (solid, remove dead copper, pour order 150): 3429.7,6194.68 3429.7,4629.72 4138.37,4629.72 4138.37,6194.68
SOLAR_IN on Bottom (Sig/GND) "SOLAR_IN_L08_P118" (solid, remove dead copper, pour order 118): 2427.44,6194.68 2427.44,4629.72 3136.1,4629.72 3136.1,6194.68

## Keep-outs
Keep-Out Layer:
  circle w10: c6456.69,258.37 r179.32

## Silkscreen, mask and mechanical layers (free items; w line width, h text height)
Top Overlay:
  drawing of 7648 lines, arcs and shapes, not listed
  text "MH1" at 241.09,6758.82 h78.74
  text "CKT 1" at 6121.04,6632.9 h137.8 r270
  text "MH10" at 6246.48,6595.28 h78.74 r30
  text "+" at 6401.38,6539.03 h196.85
  text "MH11" at 3308.75,6483.08 h78.74 r90
  text "-" at 2392.94,6388.1 h196.85
  text "-" at 3395.21,6388.1 h196.85
  text "-" at 4397.47,6388.1 h196.85
  text "HEATER" at 32.85,6381.44 h157.48
  text "-" at 6383.62,6259.76 h196.85
  text "+" at 541.26,6001 h196.85
  text "+" at 2410.71,5928.73 h196.85
  text "+" at 3412.97,5928.73 h196.85
  text "+" at 4415.24,5928.73 h196.85
  text "-" at 559.03,5721.73 h196.85
  text "CKT 2" at 6121.04,5597.46 h137.8 r270
  text "+" at 6401.38,5495.52 h196.85
  text "MH2" at 241.09,5253.13 h78.74
  text "-" at 6383.62,5216.25 h196.85
  text "BATT POS (+)" at 644.22,5095.94 h196.85
  text "MH3" at 2130.86,4584.75 h78.74
  text "CKT 3" at 6121.11,4554.4 h137.8 r270
  text "+" at 6401.38,4452.02 h196.85
  text "-" at 6383.62,4172.75 h196.85
  text "CHG SHUNT" at 2420.68,3883.67 h78.74 r90
  text "MH9" at 5961.05,3834.6 h78.74
  text "DISCHG SHUNT" at 1456.11,3794.5 h78.74 r90
  text "INVERTER" at 4458.79,3742.02 h137.8
  text "SOLAR IN" at 2506.7,3740.49 h137.8
  text "AIR CON." at 3526.68,3740.49 h137.8
  text "CKT 4" at 6121.04,3510.73 h137.8 r270
  text "+" at 6401.38,3408.51 h196.85
  text "-" at 6383.62,3129.24 h196.85
  text "MH12" at 3159.94,2964.28 h78.74
  text "CKT 5" at 6121.04,2467.74 h137.8 r270
  text "GV ALARM" at 1230.19,2461.02 h78.74
  text "CLOSE" at 2184.04,2427.94 h78.74 r270
  text "+" at 6401.38,2365.01 h196.85
  text "GIGAVAC" at 2056.76,2182.66 h108.27 r270
  text "-" at 6383.62,2085.74 h196.85
  text "1" at 1230.94,2037.48 h78.74
  text "FTDI" at 1480.75,1906.47 h98.43 r270
  text "TX" at 1219.82,1737.21 h78.74
  text "OPEN" at 2184.04,1717.86 h78.74 r270
  text "RX" at 1217.85,1637.21 h78.74
  text "CKT 6" at 6121.04,1423.88 h137.8 r270
  text "+" at 6401.38,1321.5 h196.85
  text "MH4" at 241.09,1316.12 h78.74
  text "BATT NEG (-)" at 614.82,1084.6 h196.85
  text "-" at 6383.62,1042.23 h196.85
  text "MH6" at 2181.52,1039.32 h78.74
  text "BOOT" at 3560.96,949.4 h59.06
  text "HEAT" at 2110.25,794.47 h78.74
  text "UV" at 2549.5,795.31 h78.74
  text "OV" at 2938.46,795.31 h78.74
  text "GIGAVAC" at 63.23,746.25 h78.74
  text "24V AUX" at 430.51,730.6 h78.74
  text "FTDI PRG" at 61.19,667.51 h78.74
  text "RST" at 3525.43,582.28 h59.06
  text "MH8" at 6472.86,488.14 h78.74
  text "Voltage Sense Harness" at 2225.09,441.23 h78.74
  text "VSH to BMS" at 4499.06,431.29 h78.74
  text "Pigtail to BMS" at 5238.51,397.63 h78.74 r90
  text "UV Cut Off" at 6065.38,288.88 h78.74
  text "OV Cut Off" at 6509.35,288.88 h78.74
  text "Thermistor" at 48.61,280.36 h78.74
  text "NTC to BMS" at 3806.9,273.81 h78.74
  text "MH5" at 1264.72,214.6 h78.74
  text "MH7" at 3368.89,177.62 h78.74
  text "+" at 3828.5,112.73 h118.11
  text "+" at 6066.51,112.73 h118.11
  text "+" at 6513.52,112.73 h118.11
  text "+" at 60.41,109.75 h118.11
[M15] Board Outline:
  lines w15: 0,6850.39 cw(c39.37,6850.39) 39.37,6889.76 6850.39,6889.76 cw(c6850.39,6850.39) 6889.76,6850.39 6889.76,39.37 cw(c6850.39,39.37) 6850.39,0 39.37,0 cw(c39.37,39.37) 0,39.37 0,1440.75 cw(c39.37,1440.75) 39.37,1480.12 78.74,1480.12 1125.79,1480.12 ccw(c1125.79,1519.49) 1165.16,1519.49 1165.16,3881.69 ccw(c1125.79,3881.69) 1125.79,3921.06 39.37,3921.06 cw(c39.37,3960.43) 0,3960.43 0,6850.39 ; 0,6850.39 0,6850.39

## Text inside footprints (layer, text, board x,y; h text height)
J12: Top Overlay "PIN 1" at 1706.52,2355.4 h49.21 r270; Top Assembly "PIN 1" at 1706.52,2355.4 h49.21 r270